# Altium PCB fMAX_MB.PcbDoc (part 9 of 13)
Units mil, origin at the board's own origin, x right, y up, seen from the top; angles counter-clockwise.
Board outline 9175 x 6300 mil, 14 copper layers (TopLayer, Gnd1, MidLayer1, Power1, MidLayer4, Power2, MidLayer2, Power3, MidLayer3, Gnd3, MidLayer6, Gnd2, MidLayer5, BottomLayer); 679 components, 896 nets, 4133 pads, 2341 vias.
Unrouted connection lines stored in the file: 4.
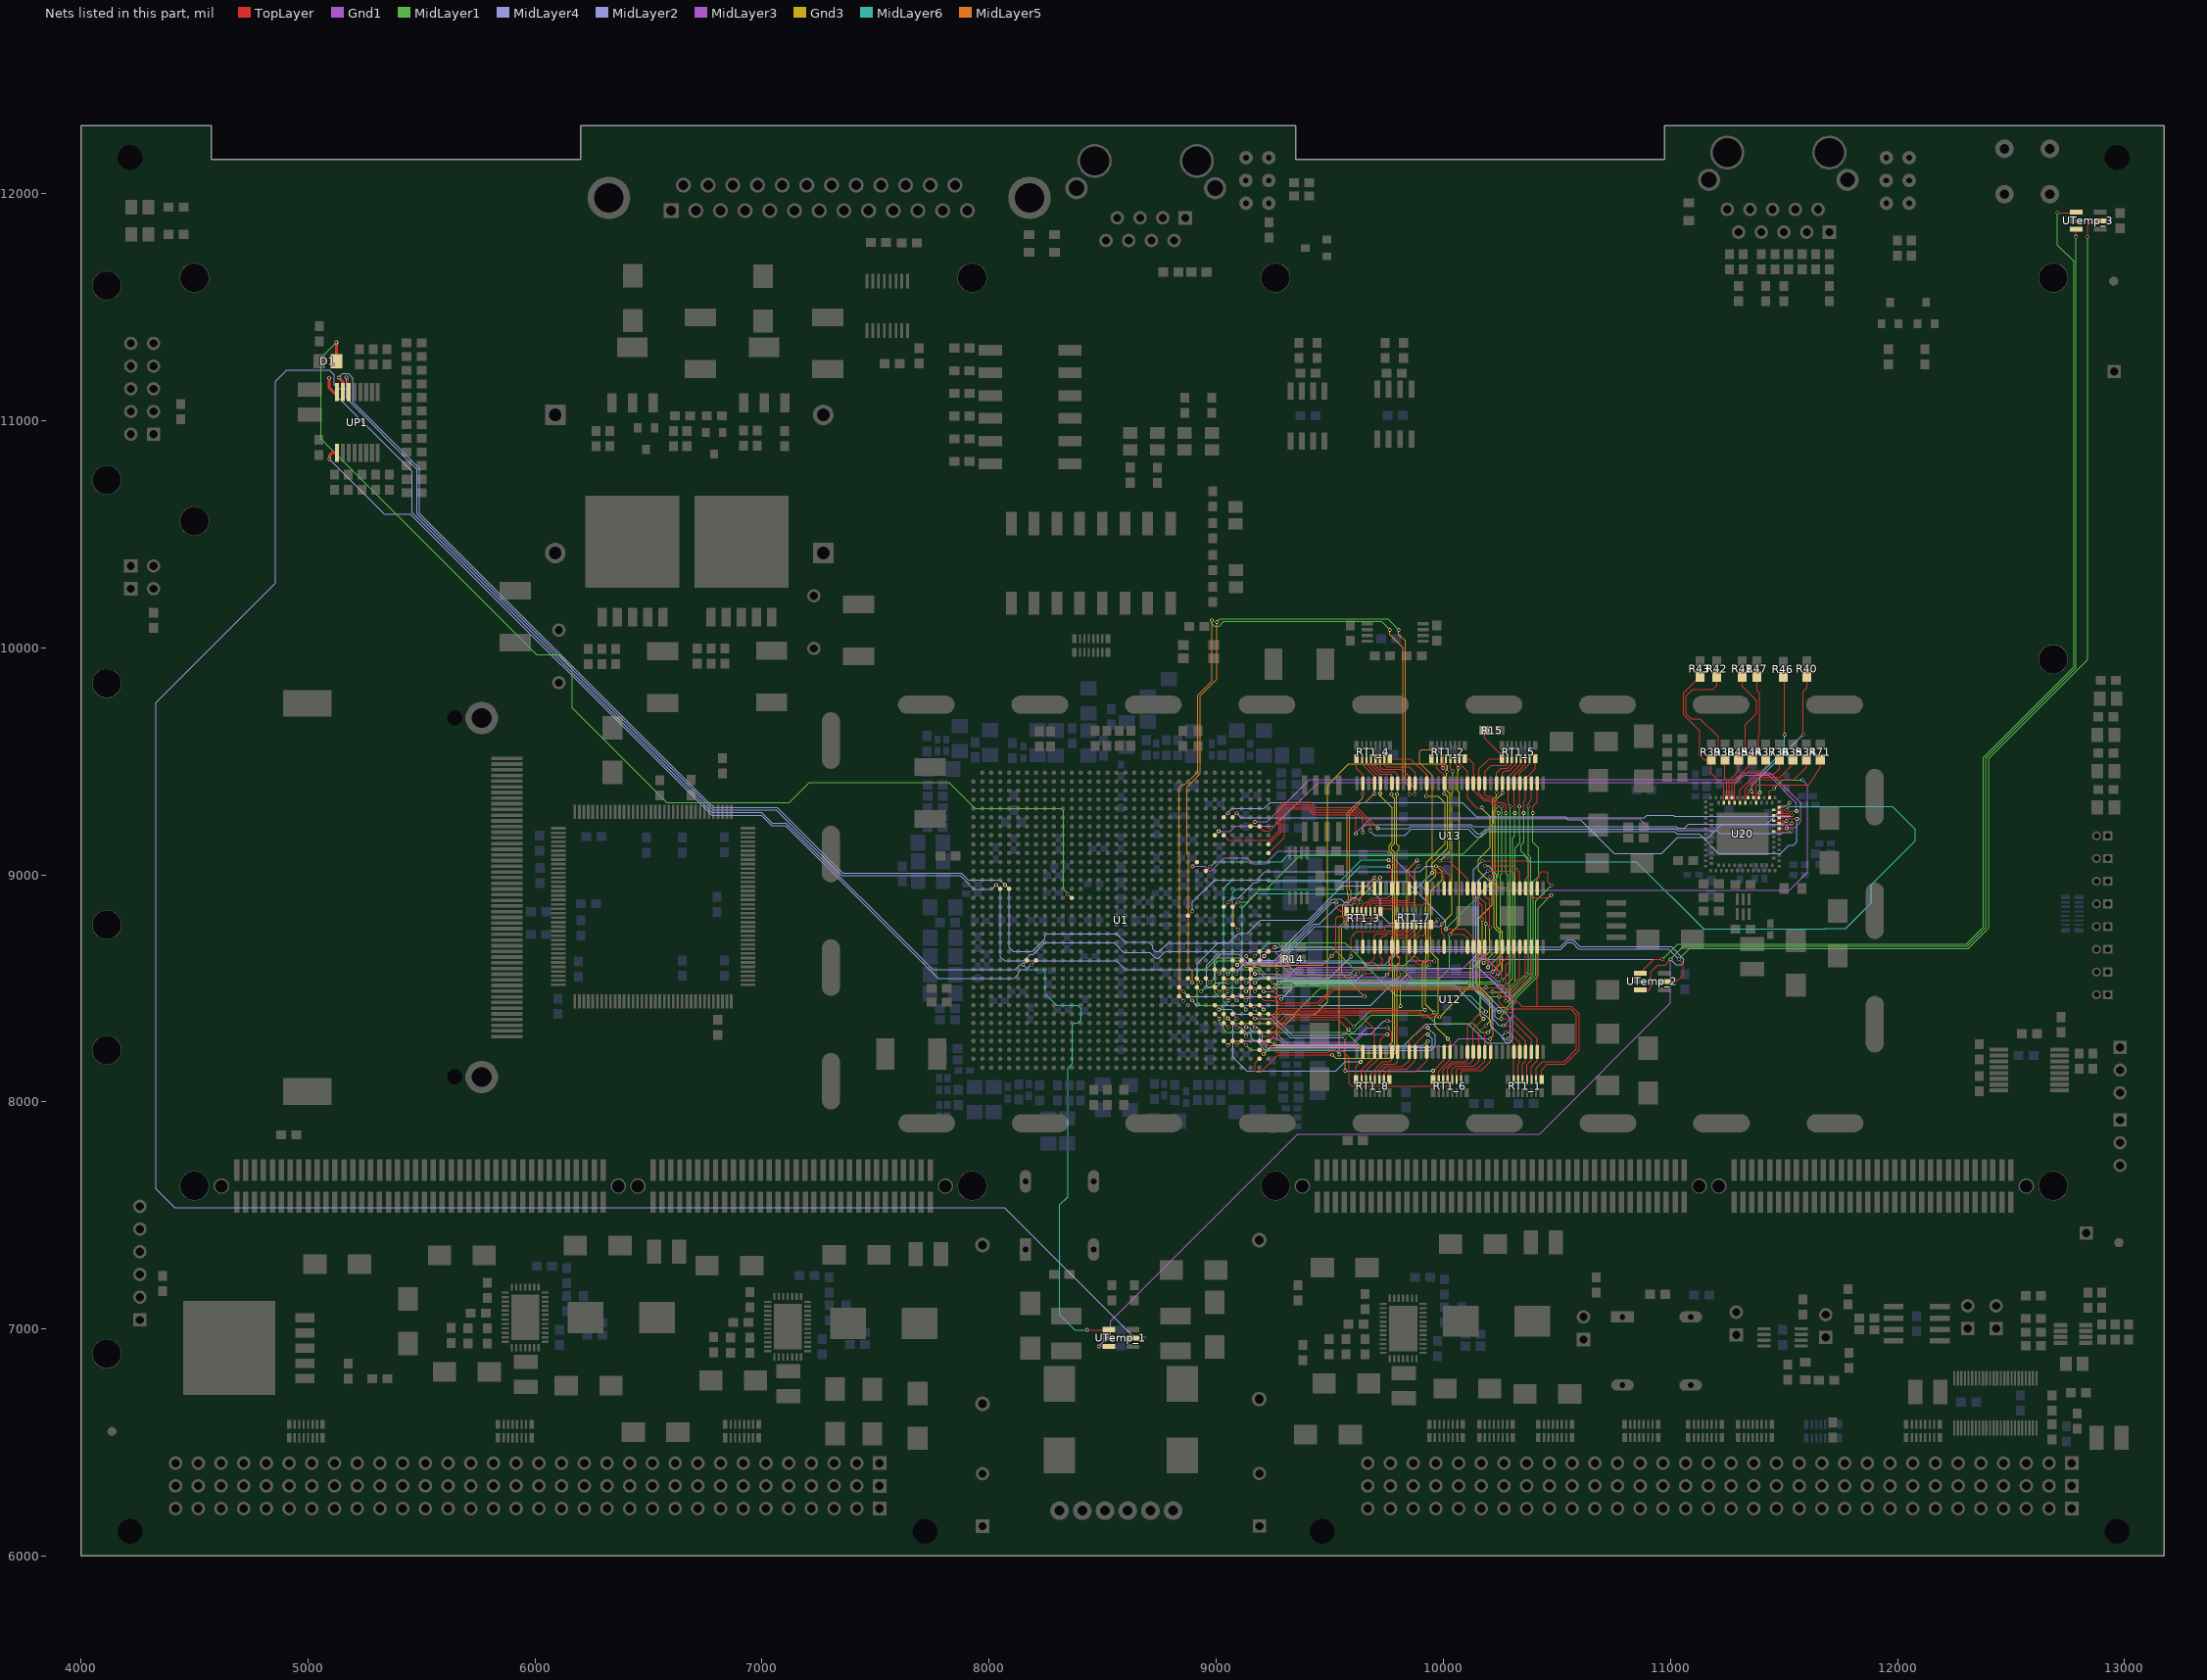
[diagram p21: the nets of this part, all layers, seen from the top]

## Via types
v1: diameter 16, hole 10, TopLayer to BottomLayer, tented both sides, 2192 vias
v2: diameter 36, hole 20, TopLayer to BottomLayer, tented both sides, 84 vias
v3: diameter 20, hole 10, TopLayer to BottomLayer, tented both sides, 61 vias
v4: diameter 160, hole 125, TopLayer to BottomLayer, tented both sides, 4 vias

## Nets (pads, with @x,y where several pads share a name; then routed paths per layer and width w, separated by ;. In a path a pad name is that pad's centre, name@x,y a point inside that pad or via, vN(x,y) a via of type N, cw(c..) or ccw(c..) an arc to the next point about the centre after c; other vN are vias at no path point) (continued)
PHY_RXCTL_RXDV_1: U1.H12 U20.94 | length 4216.8
  TopLayer w4: U20.94@11455,9285.67 11495.31,9285.67 11496.06,9286.42 v1(11510.83,9286.42)
  TopLayer w5: U1.H12@8954.02,9016.54 8954.54,9016.54 v1(8973,9035)
  MidLayer6 w5: v1@8973.98,9035 8997.05,9058.07 9286.42,9058.07 9312.83,9084.49 10354.49,9084.49 10380.91,9058.07 10849.41,9058.07 11145.67,8761.81 11684.06,8761.81 11684.06,8762.8 11771.65,8762.8 11884.84,8875.98 11884.84,8955.55 12078.74,9149.45 12078.74,9199.8 11977.36,9301.18 11524.61,9301.18 v1@11509.84,9286.42
PHY_RXD0_1: U1.F6 U20.95 | length 2768.8
  TopLayer w4: U20.95@11478.9,9297.48 11495.31,9297.48 11500.98,9303.15 11509.84,9303.15 v1(11523.62,9316.93)
  TopLayer w5: U1.F6@9032.76,9252.76 v1(9051,9271)
  MidLayer4 w5: v1(9051,9271) 9053.29,9271 9053.29,9275.73 9068.9,9291.34 9209.65,9291.34 9237.2,9318.9 10082.68,9318.9 10146.65,9254.92 10537.4,9254.92 10549.21,9243.11 10602.98,9243.11 10752.43,9093.66 10960.79,9093.66 11032.48,9165.35 11167.32,9165.35 11223.43,9221.46 11423.23,9221.46 11476.38,9274.61 11476.38,9290.35 11490.16,9304.13 11510.83,9304.13 v1(11523.62,9316.93)
PHY_RXD1_1: U1.E6 U20.92 | length 2565.6
  TopLayer w4: U20.92@11455,9262.05 11496.3,9262.05 ; 11496.53,9261.81 v1(11535.43,9261.81)
  TopLayer w5: U1.E6@9072.13,9252.76 9072.13,9253.13 v1(9090,9271)
  MidLayer2 w5: v1(9090,9271) 9090.22,9271 9109.25,9251.97 10885.83,9251.97 10895.67,9261.81 11012.8,9261.81 11016.73,9257.87 11114.74,9257.87 11115.37,9258.5 ; 11116.98,9256.89 11530.51,9256.89 v1(11535.43,9261.81)
PHY_RXD2_1: U1.G8 U20.93 | length 2839.4
  TopLayer w4: U20.93@11478.9,9273.86 11495.83,9273.86 11498.87,9270.81 11518.84,9270.81 11528.54,9280.51 v1(11555.12,9280.51)
  TopLayer w5: U1.G8@8993.39,9174.02 8993.39,9174.39 v1@9011,9192
  MidLayer3 w5: v1@9011,9192 9061.09,9192 9082.68,9213.58 9254.92,9213.58 9448.82,9407.48 11287.4,9407.48 11317.91,9437.99 11434.06,9437.99 11555.12,9316.93 v1(11555.12,9280.51)
  other v1: 9010,9192
PHY_RXD3_1: U1.F8 U20.91 | length 3003.9
  TopLayer w4: U20.91@11478.9,9250.24 11496.3,9250.24 11498.87,9252.81 11517.86,9252.81 11524.61,9246.06 v1(11557.09,9246.06)
  TopLayer w5: U1.F8@9032.76,9174.02 9033.02,9174.02 9054,9153 9236.3,9153 9277.56,9194.26 9277.56,9284.45 9302.83,9309.72 9410.39,9309.72 9433.69,9286.42 9614.17,9286.42 9678.15,9222.44 v1(9678.15,9195.87)
  MidLayer2 w5: v1(9678.15,9195.87) 9678.15,9191.93 9696.22,9173.86 9831.88,9173.86 9859.48,9201.46 10108.89,9201.46 10143.02,9167.32 10168.31,9167.32 10192.6,9191.61 11018.29,9191.61 11030.77,9179.13 11126.97,9179.13 11211.61,9094.49 11486.22,9094.49 11521.65,9129.92 11540.35,9129.92 11557.09,9146.65 v1(11557.09,9246.06)
PHY_RXD4_1: U1.A9 U20.90 | length 2582.2
  TopLayer w4: U20.90@11455,9238.42 11495.31,9238.42 11495.55,9238.19 ; 11495.31,9237.95 11496.06,9237.2 v1(11510.83,9237.2)
  TopLayer w5: U1.A9@9229.61,9134.65 9232.09,9134.65 9288.39,9190.94 9288.39,9281.13 9306.98,9299.72 9406.24,9299.72 9430.38,9275.59 9610.86,9275.59 9645.67,9240.78 v1(9645.67,9187.99)
  MidLayer2 w5: v1(9645.67,9187.99) 9645.67,9209.65 9657.48,9221.46 10123.03,9221.46 10132.87,9211.61 11026.57,9211.61 11032.48,9205.71 11062.99,9205.71 11079.72,9222.44 11496.06,9222.44 v1(11510.83,9237.2)
PHY_RXD5_1: U1.A10 U20.89 | length 2663
  TopLayer w4: U20.89@11478.9,9226.61 11495.83,9226.61 11501.97,9220.47 11520.67,9220.47 11526.57,9226.38 v1(11535.43,9226.38)
  TopLayer w5: U1.A10@9229.61,9095.28 9229.61,9095.61 9230.45,9095.61 9300.2,9165.35 9300.2,9278.8 9311.12,9289.72 9402.1,9289.72 9427.06,9264.76 9607.54,9264.76 9614.17,9258.13 v1(9614.17,9180.12)
  MidLayer3 w5: v1(9614.17,9180.12) 9614.17,9185.04 9677.17,9248.03 10863.19,9248.03 10906.5,9204.72 11190.94,9204.72 11208.66,9220.47 11529.53,9220.47 v1(11535.43,9226.38)
PHY_RXD6_1: U1.C7 U20.87 | length 2766.3
  TopLayer w4: U20.87@11478.9,9202.99 11496.3,9202.99 11498.03,9204.72 v1(11511.81,9204.72)
  TopLayer w5: U1.C7@9150.87,9213.39 9151.39,9213.39 v1(9171,9233)
  MidLayer3 w5: v1(9171,9233) 9225.13,9233 9411.42,9419.29 11285.07,9419.29 11316.57,9450.79 11437.99,9450.79 11573.82,9314.96 11573.82,9233.27 11549.21,9208.66 11514.76,9208.66 v1@11511.81,9205.71
PHY_RXD7_1: U1.B7 U20.86 | length 2615.3
  TopLayer w4: U20.86@11455,9191.18 11496.81,9191.18 11500,9187.99 11516.14,9187.99 11521.06,9192.91 v1(11535.43,9192.91)
  TopLayer w5: U1.B7@9190.24,9213.39 9190.61,9213.39 9190.61,9210.96 9208.66,9192.91 9235.24,9192.91 9266.73,9224.41 9266.73,9288.02 9298.43,9319.72 9414.53,9319.72 9437.17,9297.09 9619.25,9297.09 v1(9711.61,9204.72)
  MidLayer2 w5: v1(9711.61,9204.72) 9848.6,9204.72 9855.33,9211.46 10118.89,9211.46 10118.89,9209.85 10149.61,9179.13 10163.39,9179.13 10185.87,9201.61 11022.43,9201.61 11029.16,9194.88 11204.72,9194.88 11217.52,9182.09 11491.14,9182.09 11496.06,9187.01 11529.53,9187.01 v1(11535.43,9192.91)
PHY_RXER_1: U1.J11 U20.3 | length 3512
  TopLayer w4: U20.3@11436.02,9340.55 11436.02,9369.09 v1(11455.71,9380.91)
  TopLayer w5: v1(8895,9037) 8914.77,9055.78 8914.91,9055.91 U1.J11@8914.65,9055.91
  MidLayer1 w5: v1(11455.71,9380.91) 11456.69,9380.91 11493.11,9417.32 v1(11581.69,9417.32)
  MidLayer3 w5: v1(8895,9037) 8948.24,9037 8966.54,9018.7 8979.33,9018.7 9035.12,9074.49 9133.81,9074.49 9160.07,9048.23 9216.54,9048.23 9272.17,9103.86 9750.73,9103.86 9837.86,9016.73 9837.86,9016.47 9921.26,8933.07 11524.61,8933.07 11604.33,9012.8 11604.33,9394.68 v1(11581.69,9417.32)
PHY_TXC_GTXCLK_1: R71.2 U20.8 | length 431.6
  TopLayer w4: U20.8@11377.32,9317 11377.32,9389.32 11384,9396 11610,9396
  TopLayer w5: 11610.24,9397.64 11660,9473 R71.2@11660,9506.54
PHY_TXCTL_TXEN_1: R40.2 U20.9 | length 636.3
  TopLayer w5: v1(11358,9367) 11365.51,9359.49 U20.9@11365.51,9340 ; v1(11584,9618) 11584,9807.43 11601,9824.43 R40.2@11601,9872.54
  MidLayer4 w5: v1(11358,9367) 11358,9392 v1(11584,9618)
PHY_TXD0_1: R34.2 U20.11 | length 363.4
  TopLayer w5: U20.11@11342,9341 11342,9373 11388,9419 11544,9419 11599,9474 R34.2@11599,9506.54
PHY_TXD1_1: R35.2 U20.12 | length 335.2
  TopLayer w4: U20.12@11330.08,9317 11330.08,9359.08
  TopLayer w5: 11330.08,9359.08 11330.08,9378.08 11383,9431 11484,9431 11539,9486 R35.2@11539,9506.54
PHY_TXD2_1: R36.2 U20.14 | length 308.3
  TopLayer w4: U20.14@11306.46,9317 11306.46,9359.54
  TopLayer w5: 11306.46,9359.54 11306.46,9374.46 11334.51,9402.51 11336.51,9402.51 11377,9443 11455,9443 11480,9468 R36.2@11480,9506.54
PHY_TXD3_1: R37.2 U20.16 | length 280.9
  TopLayer w4: U20.16@11282.83,9317 11282.83,9359.17
  TopLayer w5: 11282.83,9359.17 11282.83,9397.83 11344,9459 11403,9459 11420,9476 R37.2@11420,9506.54
PHY_TXD4_1: R44.2 R47.1 U20.17 | length 585.8
  TopLayer w5: U20.17@11271.02,9340 11271.02,9407.02 11360,9496 R44.2@11360,9506.54 ; R44.2@11361,9507.54 11388,9534.54 11388,9617 11392,9621 11392,9798.94 11381,9809.94 R47.1@11381,9872.54
PHY_TXD5_1: R41.1 R45.2 U20.18 | length 631.2
  TopLayer w4: U20.18@11259.21,9317 11259.21,9359.79
  TopLayer w5: 11259.21,9359.79 11259.21,9416.21 11300,9457 R45.2@11300,9506.54 11329,9535.54 11329,9661.68 11378.94,9711.61 11378.94,9766.73 11316,9829.67 R41.1@11316,9872.54
PHY_TXD6_1: R38.2 R42.1 U20.19 | length 735.5
  TopLayer w5: R42.1@11204,9872.54 11204,9833.92 11186.02,9815.94 11098.43,9815.94 11069.88,9787.4 11069.88,9708.66 11090.55,9687.99 11128.94,9687.99 11203.93,9613 11204,9613 11211,9606 11211,9535.54 R38.2@11240,9506.54 11240,9423 11247.4,9415.6 U20.19@11247.4,9340
PHY_TXD7_1: R39.2 R43.1 U20.20 | length 676.7
  TopLayer w4: U20.20@11235.59,9317 11235.59,9359.59
  TopLayer w5: R43.1@11130,9872.54 11059.06,9801.59 11059.06,9704.72 11130,9633.78 11130,9525 11149,9506 R39.2@11180,9506 ; R39.2@11180,9506.54 11180,9448 11235.59,9392.41 11235.59,9359.59
PHY_TXER_1: R46.2 U20.7 | length 581.8
  TopLayer w4: U20.7@11389.13,9340 11389.13,9357.64 v1(11393.7,9362.2)
  TopLayer w5: R46.2@11497,9871.54 11502,9866.54 v1(11502,9617)
  MidLayer5 w5: v1@11500.98,9618.02 v1(11502,9617)
  MidLayer6 w5: v1(11393.7,9362.2) 11393.7,9442.91 11502,9551.21 v1(11502,9617)
POWER_DATA0: U1.AL14 UP1.14 UTemp_1.2 UTemp_2.2 UTemp_3.2 | length 21274.2
  TopLayer w5: v1(5169,11190) 5179.5,11179.5 UP1.14@5179.5,11125.74 ; v1(8031,8956) 8048.5,8938.5 U1.AL14@8048.5,8937.8 ; UTemp_1.2@8633.78,6960.63 v1(8681.1,6960.63) ; UTemp_2.2@10973.15,8530 11029.02,8530 11056.1,8557.09 11056.1,8608.27 v1(11036.42,8627.95) ; v1(12837.6,11809.06) 12837.6,11859.25 12858.35,11880 UTemp_3.2@12893.15,11880
  MidLayer1 w5: v1(11036.42,8627.95) 11083.66,8675.2 12311.02,8675.2 12401.57,8765.75 12401.57,9512.8 12837.6,9948.82 v1(12837.6,11809.06)
  MidLayer4 w5: 5169,11139.76 5133.86,11139.76 5116.14,11157.48 5116.14,11201.77 5095.47,11222.44 4906.5,11222.44 4857.28,11173.23 4857.28,10283.46 4331.69,9757.87 4331.69,7616.14 4412.4,7535.43 8065.94,7535.43 8640.75,6960.63 v1(8681.1,6960.63) ; v1(5169,11190) 5169,11096.75 5480.47,10785.28 5480.47,10588.17 6782.22,9286.42 7060.76,9286.42 7350.45,8996.73 7872.36,8996.73 7932.09,8937.01 8012.8,8937.01 8031,8955.21 v1(8031,8956) 8050.2,8936.8 8050.2,8639.76 8067.91,8622.05 8151.57,8622.05 8180.12,8650.59 8192.91,8650.59 8243.11,8700.79 8549.21,8700.79 8591.54,8658.46 8706.69,8658.46 8733.11,8632.05 8746.22,8632.05 8775.59,8661.42 9279.53,8661.42 9289.53,8671.42 10517.87,8671.42 10547.24,8700.79 10567.91,8700.79 10595.47,8673.23 10991.14,8673.23 v1(11036.42,8627.95)
POWER_DATA1: U1.AH22 UP1.16 UTemp_1.4 UTemp_2.4 UTemp_3.4 | length 14316.8
  TopLayer w5: v1(8149,8605) 8166.61,8622.61 U1.AH22@8166.61,8622.83 ; v1(8431.1,6996.06) UTemp_1.4@8525.51,6996.06 ; UTemp_2.4@10866.85,8567.4 10927.4,8627.95 v1(10965.55,8627.95) ; v1(12703.74,11915.35) UTemp_3.4@12784.8,11915.35
  TopLayer w12: v1(5093,11188) 5093,11145 5112.26,11125.74 UP1.16@5128.32,11125.74
  MidLayer1 w5: v1(10965.55,8627.95) 11032.79,8695.2 12302.74,8695.2 12377.95,8770.41 12377.95,9517.46 12776.42,9915.92 12776.42,11700.95 12703.74,11773.62 v1(12703.74,11915.35)
  MidLayer4 w5: v1(5093,11188) 5093,11143.22 5460.01,10776.21 5460.01,10594.49 6778.91,9275.59 6996.43,9275.59 7044.65,9227.36 7105.68,9227.36 7751.35,8581.69 8113.19,8581.69 8136.5,8605 v1(8149,8605) 8166.05,8622.05 8561.02,8622.05 8600.39,8582.68 9098.43,8582.68 9127.8,8612.05 9645.46,8612.05 9668.77,8588.74 10129.09,8588.74 10168.31,8627.95 v1(10965.55,8627.95)
  MidLayer6 w5: v1(8149,8605) 8171.32,8582.68 8242.13,8582.68 8248.03,8576.77 8248.03,8474.77 8297.61,8425.2 8389.76,8425.2 8405.51,8409.45 8405.51,8363.19 8389.76,8347.44 8375.98,8347.44 8366.14,8337.6 8366.14,8169.29 8346.46,8149.61 8346.46,7582.68 8311.02,7547.24 8311.02,7062.99 8377.95,6996.06 v1(8431.1,6996.06)
POWER_DATA2: U1.AG22 UP1.1 | length 4150.6
  TopLayer w5: v1(8187,8604) 8205.83,8622.83 U1.AG22@8205.98,8622.83
  TopLayer w12: v1(5095,10831) 5095,10847 5106.02,10858.02 UP1.1@5128.32,10858.02
  MidLayer4 w5: v1(5095,10831) 5336.43,10589.57 5450.79,10589.57 6778.54,9261.81 6996.06,9261.81 7041.34,9216.54 7102.36,9216.54 7775.59,8543.31 8109.25,8543.31 8129.92,8563.98 8129.92,8572.83 8139.76,8582.68 8162.4,8582.68 8183.72,8604 v1(8187,8604)
POWER_DATA4: D1.1 U1.AC15 | length 5056.6
  TopLayer w5: v1(8345,8915) 8361.57,8898.43 U1.AC15@8363.46,8898.43
  TopLayer w12: D1.1@5125.28,11261.88 v1(5125.28,11344.28)
  MidLayer1 w5: v1(5125.28,11344.28) 5058.07,11277.07 5058.07,10918.31 6006.38,9970 6105,9970 6165.2,9909.8 6165.2,9734.41 6580.71,9318.9 7120.39,9318.9 7208.82,9407.32 7822.01,9407.32 7937.99,9291.34 8313.98,9291.34 8326.77,9278.54 8326.77,8937.01 8345,8918.78 v1(8345,8915)
POWER_DATA_OUT_1: U1.AK14 UP1.15 UTemp_1.6 UTemp_2.6 UTemp_3.6 | length 15981.2
  TopLayer w5: v1(8070,8955) 8087.2,8937.8 U1.AK14@8087.87,8937.8 ; v1(8482.28,6923.23) UTemp_1.6@8526.22,6923.23 ; UTemp_2.6@10866.85,8492.6 10904.02,8492.6 10913.39,8501.97 10913.39,8570.87 10944.88,8602.36 10975.39,8602.36 v1(11000.98,8627.95) ; v1(12786.42,11810.04) UTemp_3.6@12786.42,11842.17
  TopLayer w12: v1(5136,11189) 5153.91,11171.09 UP1.15@5153.91,11125.74
  MidLayer1 w5: v1(11000.98,8627.95) 11058.23,8685.2 12306.88,8685.2 12389.76,8768.08 12389.76,9515.13 12786.42,9911.78 v1(12786.42,11810.04)
  MidLayer3 w5: v1(8482.28,6923.23) 8535.43,6976.38 8535.43,7034.45 9359.25,7858.27 10423.23,7858.27 11000.98,8436.02 v1(11000.98,8627.95)
  MidLayer4 w5: v1(5136,11189) 5136,11189.15 5153.54,11206.69 5178.15,11206.69 5197.83,11187.01 5197.83,11082.06 5491.14,10788.75 5491.14,10591.64 6786.36,9296.42 7065.79,9296.42 7355.31,9006.89 7355.31,9006.73 ; 7354.59,9006.73 7877.44,9006.73 7907.8,8976.38 8048.23,8976.38 8069.61,8955 v1(8070,8955) 8087.6,8937.4 8087.6,8679.13 8105.31,8661.42 8188.98,8661.42 8188.98,8661.93 8244.82,8717.78 8244.82,8732.03 8253.94,8741.14 8561.02,8741.14 8599.41,8702.76 8702.76,8702.76 8719.49,8686.02 8719.49,8673.23 8731.3,8661.42 8749.02,8661.42 8787.4,8699.8 9270.67,8699.8 9289.06,8681.42 10513.73,8681.42 10543.93,8711.61 10571.85,8711.61 10600.24,8683.23 11004.76,8683.23 11059.06,8628.94 11059.06,8615.16 11049.21,8605.32 11023.62,8605.32 v1(11000.98,8627.95) v1@11000.98,8630.91
RA2: RT1_2.16 U1.F16 U12.46 U13.46 | length 2247.8
  TopLayer w5: U1.F16@9032.76,8859.06 9034.06,8859.06 v1(9055,8880) ; v1(10010.83,8760.83) 10093.5,8760.83 10131.81,8722.52 U12.46@10131.81,8682.99 ; RT1_2.16@10094.92,9510.94 10111.06,9510.94 10131.81,9490.19 10131.99,9402.99 10132,9400 10132,9370.95 10177.17,9325.79 10202.76,9325.79 10218.5,9310.04 10218.5,9296.26 v1(10243.11,9271.65)
  MidLayer1 w5: v1(10010.83,8760.83) 10241.14,8991.14 10241.14,9002.33 10243.11,9004.3 v1(10243.11,9271.65)
  MidLayer2 w5: v1(9055,8880) 9055,8880.79 9071.85,8897.64 9098.43,8897.64 9167.32,8966.54 9179.5,8966.54 9191.31,8978.35 9219.49,8978.35 9227.36,8970.47 9837.6,8970.47 10010.83,8797.24 v1(10010.83,8760.83)
RA3: RT1_3.16 U1.F24 U13.2 | length 1195.4
  TopLayer w5: U1.F24@9032.76,8544.09 9032.91,8544.09 v1(9052,8525) ; v1(9527.56,8877.95) 9527.56,8857.28 9545.79,8839.06 RT1_3.16@9575.08,8839.06 9575.08,8866.08 9604.63,8895.63 9631.63,8895.63 9645.59,8909.59 U13.2@9645.59,8939 ; U13.2@9645.59,8914.59 U13.2@9645.59,8940
  MidLayer2 w5: v1(9052,8525) 8997.44,8525 8976.38,8503.94 8965.55,8503.94 8956.69,8512.8 8956.69,8602.36 9015.75,8661.42 9183.07,8661.42 9193.9,8650.59 9193.9,8634.84 9204.24,8624.5 9257.02,8624.5 9510.46,8877.95 v1(9527.56,8877.95)
RA4: RT1_4.16 U1.B30 U13.54 | length 2155.1
  TopLayer w5: U1.B30@9190.24,8307.87 9190.24,8307.76 9209,8289 9235.85,8289 9283.15,8336.3 9283.15,8338.15 9317.4,8372.4 9563.62,8372.4 v1(9606.3,8329.72) ; RT1_4.16@9764.92,9510.94 9855.06,9510.94 9927.09,9438.91 v1@9927.09,9348.35
  MidLayer1 w5: v1(9606.3,8329.72) 9606.3,8330.71 9680.12,8404.53 v1(9919.29,8404.53)
  Gnd3 w5: v1(9919.29,8404.53) 9909.45,8414.37 9909.45,8613.55 9923.23,8627.33 9923.23,8968.7 9926.18,8971.65 9926.18,9054.86 10008.39,9137.06 10008.39,9315.12 10000,9323.5 10000,9324.8 ; v1(9925.2,9346.46) 9977.36,9346.46 9998.39,9325.43
RA5: RT1_5.16 U1.B26 U12.37 U13.37 | length 2558.6
  TopLayer w5: U1.B26@9190.24,8464.76 U1.B26@9190.24,8465.35 9209.72,8445.87 9255.54,8445.87 9277.2,8424.21 9448.2,8424.21 9517.92,8493.94 10169.45,8493.94 10179.13,8484.25 10303.07,8484.25 10362.13,8543.31 U12.37@10362.13,8682.99 ; v1(10354.33,9271.65) 10354.33,9321.85 10362.13,9329.65 10362.13,9424.14 10404.92,9466.93 RT1_5.16@10404.92,9510.94
  MidLayer1 w5: v1(10216.54,8484.25) 10285.43,8484.25 10375,8573.82 10375,9071.85 10342.52,9104.33 10342.52,9130.91 10354.33,9142.72 v1(10354.33,9271.65)
RA6: RT1_6.16 U1.C28 U12.16 | length 1130.9
  TopLayer w5: U1.C28@9150.87,8386.61 9150.87,8386.13 v1(9170,8367) ; RT1_6.16@9955.08,8099.06 v1(9955.08,8137.08) 10003.86,8185.86 U12.16@10003.86,8220
  MidLayer5 w5: v1(9565.94,8283.47) 9567.2,8282.21 v1(9567.2,8137.08)
  MidLayer4 w5: v1(9170,8367) 9240.28,8367 9325.16,8283.11 v1@9562.99,8283.46 ; v1(9567.2,8137.08) v1(9955.08,8137.08)
RA7: RT1_7.16 U1.J24 U12.54 | length 1578.1
  TopLayer w5: U1.J24@8914.65,8544.09 8914.91,8544.09 v1(8932,8527) ; U12.54@9927.09,8682.99 9927.09,8710.55 9944.92,8728.39 RT1_7.16@9944.92,8780.94 ; RT1_7.16@9944.92,8779.53 9967.52,8779.53 9975.39,8787.4 v1(9975.39,8802.17)
  MidLayer2 w5: v1(8932,8527) 8932,8527.65 8917.32,8542.32 8917.32,8608.27 9009.84,8700.79 9055.12,8700.79 9097.44,8743.11 9135.83,8743.11 9193.94,8801.22 9405.45,8801.22 9554.7,8950.47 9663.34,8950.47 9722.44,8891.37 9722.44,8824.8 9759.84,8787.4 9960.63,8787.4 v1(9975.39,8802.17)
RA8: RT1_8.16 U1.E28 U12.2 | length 941.3
  TopLayer w5: U1.E28@9072.13,8386.61 9072.13,8385.87 v1(9091,8367) ; RT1_8.16@9615.08,8099.06 9615.08,8155.08 9645.59,8185.59 U12.2@9645.59,8220
  MidLayer4 w5: v1(9091,8367) 9088.46,8367 9074.8,8353.35 9074.8,8196.85 9134.58,8137.08 9527.83,8137.08 9566.93,8176.18 v1(9635.83,8176.18)
RB1: RT1_1.15 U1.A25 U12.28 U13.28 | length 2410.9
  TopLayer w4: U12.28@10310.95,8220 10310.95,8252.05
  TopLayer w5: U1.A25@9229.61,8504.72 9229.61,8504.39 v1(9286.42,8453.74) ; v1(10194.88,9015.75) 10298.23,9015.75 10310.95,9003.03 U13.28@10310.95,8940 ; v1(10285.43,8277.56) 10310.95,8252.05 ; RT1_1.15@10309.69,8099.06 10309.69,8218.74 U12.28@10310.95,8220
  MidLayer2 w5: v1(10194.88,9015.75) 10143.86,8964.72 10143.86,8520.51 10294.29,8370.08 10294.29,8286.42 v1(10285.43,8277.56)
  MidLayer4 w5: v1(9286.42,8453.74) 9345.98,8513.31 10048.24,8513.31 10180.2,8381.34 10185.59,8381.34 10207.68,8359.25 10207.68,8335.63 10265.75,8277.56 v1(10285.43,8277.56)
RB2: RT1_2.15 U1.A29 U13.47 | length 2129.2
  TopLayer w5: U1.A29@9229.61,8347.24 U1.A29@9229.61,8347.24 9232.09,8347.24 9241.14,8356.3 9251.97,8356.3 9262.28,8366.61 ; 9261.4,8365.73 9265.73,8365.73 9292.4,8392.4 9888.46,8392.4 9907.83,8373.03 v1(9983.27,8373.03) ; RT1_2.15@10070.31,9510.94 10070.31,9489.69 10106.22,9453.78 10106.22,9335.71 10146.65,9295.28 v1(10169.29,9295.28)
  Gnd3 w5: v1(9983.27,8373.03) 10080.87,8475.55 10119.09,8513.78 10119.09,8620.18 10154.53,8655.62 10154.53,8808.07 10214.41,8867.95 10214.41,8959.8 10155.51,9018.7 10155.51,9067.91 10206.54,9118.94 10206.54,9256.06 10169.29,9293.31 v1(10169.29,9295.28)
RB3: RT1_3.15 U1.H24 U13.4 | length 1147.8
  TopLayer w5: U1.H24@8954.02,8544.09 8954.91,8544.09 v1(8973,8526) ; RT1_3.15@9599.69,8839.06 9599.69,8868.69 v1(9611,8880) ; v1@9696,8988 v1(9696.77,8987.23) U13.4@9696.77,8940 U13.4@9696.77,8917.77
  MidLayer2 w5: v1(8973,8526) 8973.02,8526.17 8991.14,8544.29 8991.14,8622.67 9019.89,8651.42 9098.58,8651.42 9136.25,8613.75 9260.41,8613.75 9430.12,8783.46 9456.69,8783.46 9456.69,8784.45 9539.37,8867.13 9598.13,8867.13 v1(9611,8880)
  MidLayer5 w5: v1(9611,8880) 9611,8901.46 v1(9696.77,8987.23)
RB4: RT1_4.15 U1.K24 U13.56 | length 3528.2
  TopLayer w5: U1.K24@8875.28,8544.09 8875.28,8543.72 v1(8894,8525) ; RT1_4.15@9740.31,9510.94 9740.31,9483.69 9748,9476 9850,9476 9875.91,9450.09 v1@9875.91,9356.22
  MidLayer1 w5: v1(9002.95,10113.19) 9015.76,10126 9755.89,10126 v1@9804.13,10077.76
  MidLayer5 w5: v1(8894,8525) 8894,8576.47 8877.95,8592.52 8877.95,9090.55 8872.05,9096.46 8872.05,9388 8929.13,9445.09 8929.13,9788.02 9002.95,9861.84 v1@9002.95,10112.2 ; v1(9803.15,10078.74) 9803.15,10059.06 9832.83,10029.37 9832.83,9421.1 9874.02,9379.92 v1(9874.02,9354.33)
RB5: RT1_5.15 U1.A26 U12.38 U13.38 | length 2463.2
  TopLayer w5: U1.A26@9229.61,8465.35 9250.2,8465.35 9279.53,8436.02 9445.87,8436.02 9513.78,8503.94 10259.84,8503.94 10267.72,8496.06 10285.35,8496.06 10336.54,8547.24 U12.38@10336.54,8682.99 ; v1(10334.65,9301.18) 10334.65,9327.76 10336.54,9329.65 10336.54,9446.77 10380.31,9490.55 RT1_5.15@10380.31,9510.94
  MidLayer1 w5: v1(10187.01,8503.94) 10236.22,8503.94 10242.13,8498.03 10284.45,8498.03 10315.28,8528.86 10315.28,9118.43 10338.58,9141.73 10338.58,9167.32 10334.65,9171.26 v1(10334.65,9301.18)
RB6: RT1_6.15 U1.K17 U12.17 U13.17 | length 2382.9